# KiCad board sizif128.kicad_pcb (continued)
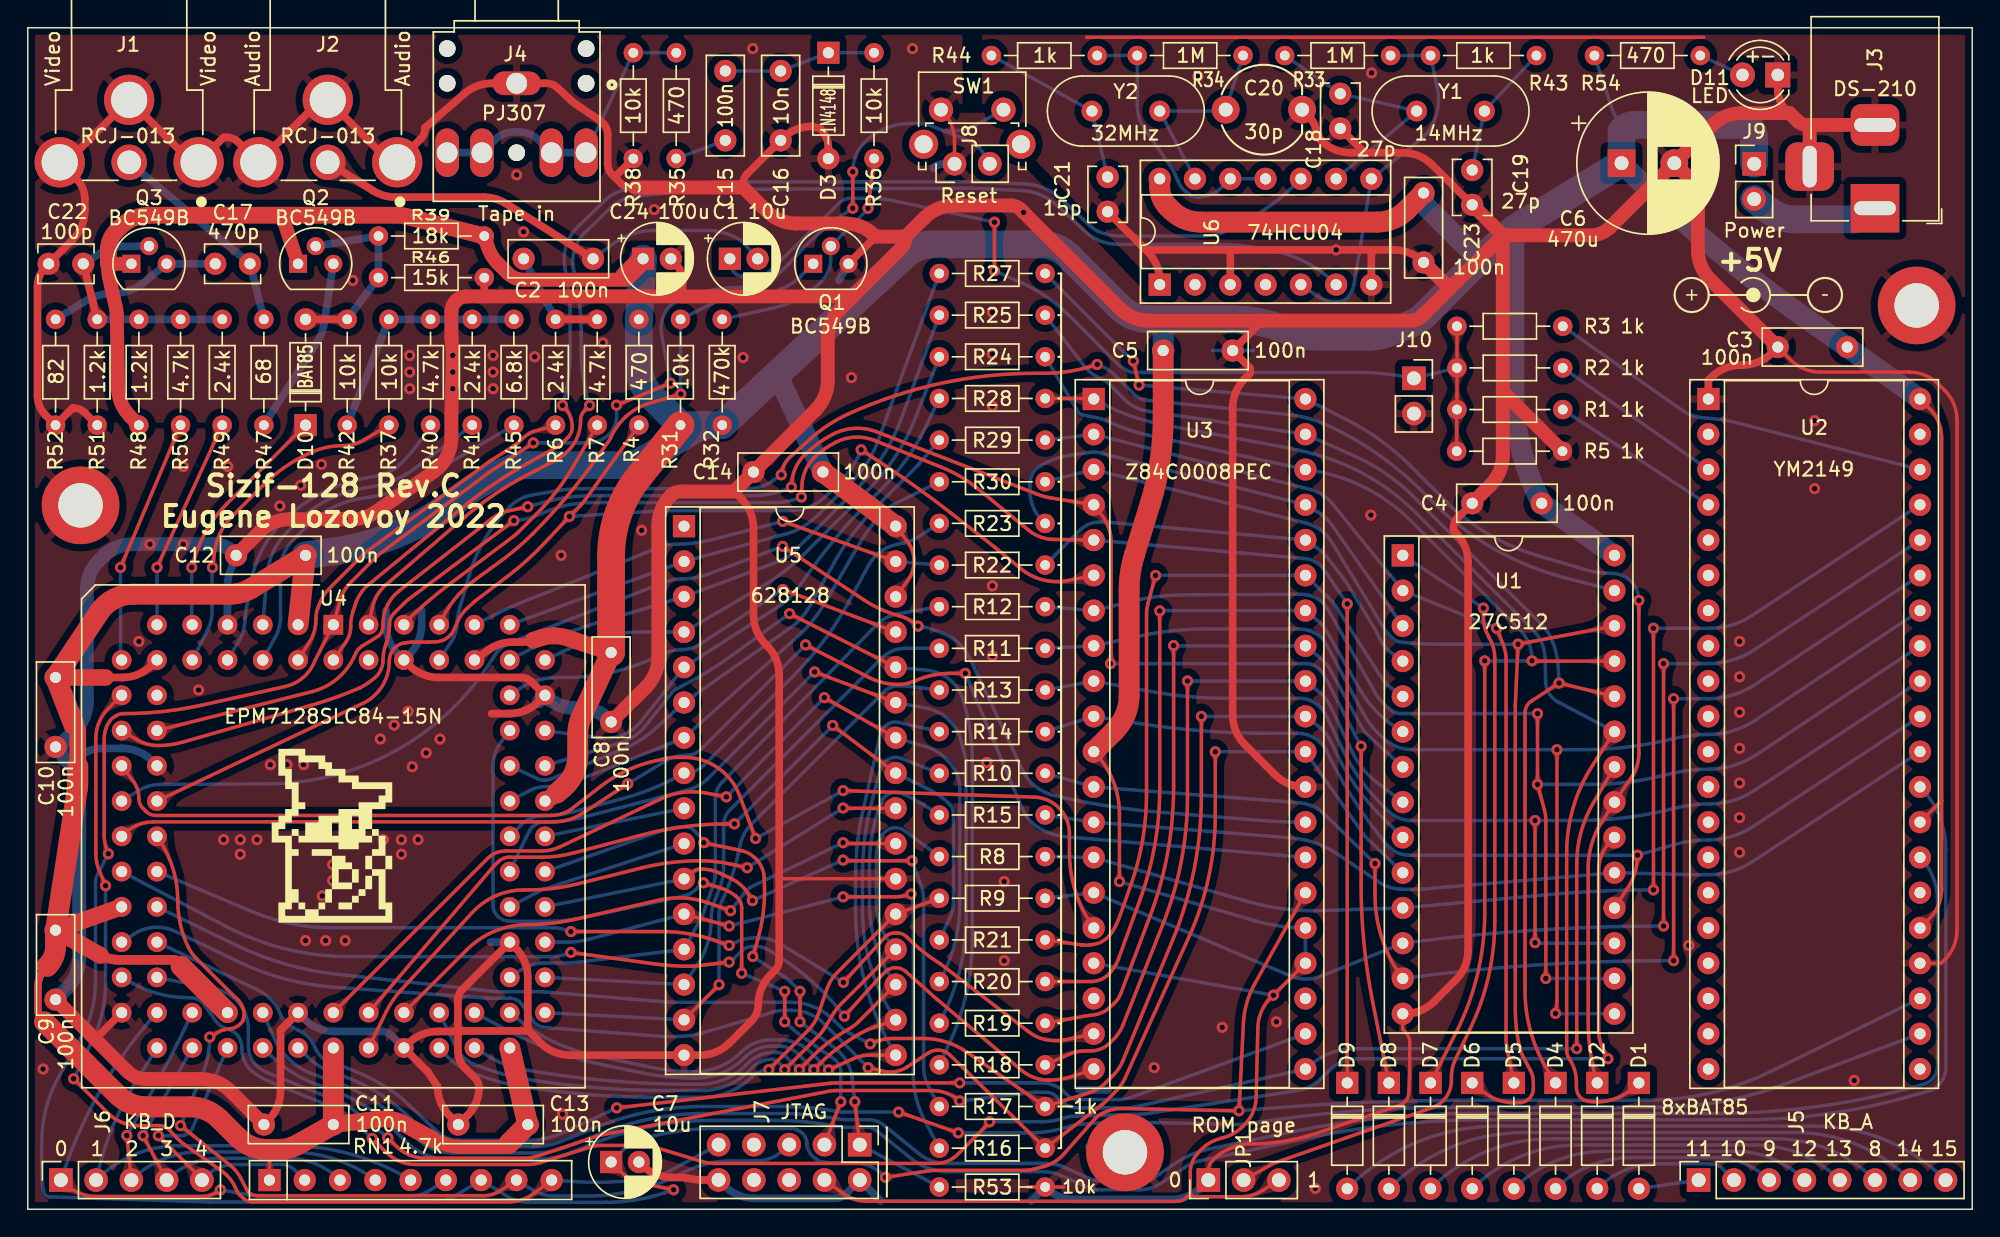
[diagram p0: board, top side]
## Copper pours and planes (outline as drawn; the poured copper is in the pictures) (continued)
D7 on Bottom: 74.37,28.11 74.66,28.06 74.9,28.01 75.1,27.95 75.28,27.88 75.44,27.8 75.59,27.71 75.74,27.61 75.9,27.5 76.09,27.37 76.3,27.22 77.15,27.82 76.51,28.64 76.26,28.56 76.05,28.49 75.86,28.43 75.69,28.38 75.52,28.34 75.34,28.31 75.15,28.3 74.94,28.3 74.69,28.32 74.4,28.35
D7 on Bottom: 111.87,23.91 112.16,23.93 112.41,23.94 112.62,23.92 112.81,23.9 112.98,23.86 113.15,23.81 113.32,23.75 113.5,23.67 113.71,23.59 113.95,23.49 114.64,24.27 113.83,24.93 113.61,24.79 113.42,24.67 113.25,24.57 113.09,24.48 112.93,24.4 112.77,24.33 112.59,24.28 112.38,24.23 112.14,24.19 111.85,24.16
Green on Bottom: 16.98,44.24 16.95,43.98 16.92,43.76 16.88,43.57 16.83,43.41 16.77,43.26 16.7,43.12 16.62,42.98 16.53,42.83 16.43,42.66 16.31,42.46 16.89,41.75 17.58,42.35 17.5,42.57 17.42,42.76 17.36,42.92 17.31,43.07 17.26,43.22 17.23,43.38 17.21,43.54 17.2,43.73 17.21,43.95 17.22,44.21
Green on Bottom: 30.41,55.12 30.61,55.27 30.79,55.39 30.96,55.48 31.11,55.55 31.25,55.61 31.4,55.65 31.55,55.68 31.72,55.72 31.91,55.75 32.14,55.79 32.28,56.69 31.38,56.8 31.28,56.6 31.19,56.42 31.11,56.27 31.04,56.13 30.96,56 30.86,55.87 30.75,55.75 30.62,55.62 30.46,55.48 30.26,55.32
KD0 on Top: 12.8,0.81 12.95,0.83 13.08,0.85 13.2,0.87 13.3,0.89 13.48,0.93 13.57,0.95 13.67,0.97 13.78,0.99 13.92,1 14.05,1.51 13.54,1.61 13.48,1.52 13.42,1.43 13.36,1.35 13.31,1.29 13.25,1.23 13.18,1.18 13.1,1.14 13.01,1.11 12.9,1.08 12.77,1.06
KD0 on Top: 4.61,1.06 4.34,1.1 4.11,1.16 3.92,1.25 3.77,1.36 3.65,1.49 3.54,1.65 3.44,1.82 3.35,2.02 3.26,2.23 3.15,2.46 2.05,2.37 2.3,1.25 2.58,1.22 2.82,1.18 3.03,1.14 3.22,1.09 3.4,1.04 3.58,0.99 3.78,0.94 4,0.89 4.27,0.85 4.59,0.81
KD0 on Bottom: 8.01,12.45 8.18,12.65 8.33,12.81 8.46,12.94 8.6,13.05 8.73,13.13 8.86,13.21 9.01,13.27 9.17,13.34 9.36,13.42 9.57,13.5 9.54,14.43 8.62,14.35 8.55,14.13 8.5,13.93 8.46,13.76 8.41,13.6 8.36,13.45 8.29,13.31 8.21,13.16 8.11,13 7.98,12.81 7.82,12.6
KD0 on Bottom: 27.28,0.89 27.65,0.85 27.96,0.86 28.22,0.91 28.46,0.99 28.67,1.09 28.89,1.19 29.11,1.27 29.35,1.33 29.62,1.35 29.95,1.31 30.44,2.31 29.42,2.52 29.25,2.25 29.1,1.99 28.94,1.76 28.79,1.56 28.62,1.39 28.43,1.25 28.22,1.15 27.97,1.1 27.67,1.09 27.33,1.14
KD0 on Bottom: 3.2,4.68 3.06,4.37 2.94,4.12 2.83,3.9 2.72,3.72 2.6,3.55 2.47,3.4 2.33,3.25 2.17,3.09 1.99,2.91 1.78,2.7 2.24,1.7 3.22,2.2 3.19,2.49 3.15,2.74 3.13,2.97 3.11,3.17 3.11,3.37 3.12,3.57 3.16,3.78 3.22,4.01 3.31,4.28 3.43,4.59
KD1 on Bottom: 6.91,3.72 6.62,3.57 6.37,3.45 6.15,3.36 5.96,3.28 5.78,3.22 5.6,3.17 5.41,3.11 5.2,3.06 4.96,2.99 4.68,2.92 4.6,1.81 5.71,1.78 5.81,2.03 5.89,2.25 5.97,2.45 6.05,2.62 6.14,2.78 6.25,2.93 6.39,3.07 6.55,3.21 6.76,3.35 7.02,3.5
KD1 on Bottom: 8.28,9.74 8.42,9.96 8.55,10.14 8.67,10.29 8.79,10.41 8.9,10.52 9.03,10.61 9.16,10.7 9.31,10.79 9.48,10.9 9.68,11.02 9.49,11.92 8.59,11.69 8.57,11.46 8.55,11.26 8.54,11.09 8.51,10.93 8.49,10.78 8.44,10.62 8.39,10.47 8.31,10.29 8.2,10.1 8.07,9.87
KD1 on Bottom: 25.38,3.09 25.64,2.97 25.86,2.85 26.03,2.74 26.18,2.62 26.31,2.5 26.42,2.37 26.52,2.22 26.63,2.06 26.76,1.87 26.9,1.65 27.91,1.9 27.62,2.9 27.35,2.92 26.92,2.94 26.74,2.95 26.57,2.97 26.39,3.01 26.2,3.05 26,3.12 25.76,3.2 25.48,3.32
KD1 on Bottom: 5.48,4.6 5.37,4.3 5.28,4.05 5.18,3.84 5.08,3.66 4.98,3.51 4.87,3.36 4.75,3.2 4.61,3.04 4.45,2.86 4.27,2.64 4.82,1.69 5.75,2.28 5.69,2.55 5.63,2.78 5.59,2.99 5.55,3.18 5.52,3.36 5.52,3.55 5.53,3.75 5.56,3.97 5.63,4.23 5.72,4.52
KD2 on Top: 7.08,4.61 7.1,4.3 7.11,4.04 7.1,3.81 7.08,3.62 7.04,3.43 6.99,3.25 6.92,3.07 6.85,2.87 6.76,2.65 6.66,2.39 7.5,1.68 8.18,2.55 8.03,2.78 7.9,2.98 7.79,3.16 7.69,3.33 7.6,3.49 7.53,3.66 7.46,3.85 7.41,4.07 7.36,4.33 7.32,4.64
KD2 on Bottom: 7.61,6.4 7.54,6.28 7.48,6.18 7.42,6.09 7.36,6.01 7.3,5.95 7.24,5.89 7.17,5.83 7.09,5.77 7.01,5.71 6.9,5.64 7.03,5.14 7.53,5.28 7.54,5.41 7.55,5.51 7.56,5.61 7.57,5.69 7.59,5.78 7.62,5.86 7.66,5.95 7.7,6.04 7.76,6.15 7.83,6.28
KD2 on Bottom: 22.89,3.17 23.15,3.06 23.36,2.94 23.53,2.83 23.68,2.71 23.79,2.58 23.9,2.44 24,2.29 24.09,2.12 24.2,1.92 24.33,1.7 25.35,1.88 25.14,2.89 24.87,2.93 24.44,2.98 24.26,3.01 24.08,3.04 23.91,3.08 23.72,3.13 23.51,3.2 23.27,3.29 22.99,3.4
KD2 on Bottom: 9.5,3.65 9.2,3.52 8.94,3.41 8.72,3.33 8.52,3.26 8.34,3.21 8.15,3.16 7.96,3.11 7.75,3.06 7.51,2.99 7.23,2.92 7.14,1.82 8.24,1.77 8.34,2.02 8.43,2.24 8.51,2.43 8.6,2.6 8.69,2.76 8.81,2.9 8.95,3.04 9.12,3.17 9.34,3.29 9.6,3.42
KD2 on Bottom: 11.03,12.18 11.15,12.41 11.26,12.6 11.37,12.76 11.47,12.9 11.58,13.01 11.69,13.12 11.81,13.23 11.95,13.34 12.11,13.46 12.29,13.61 11.99,14.48 11.13,14.15 11.13,13.92 11.14,13.72 11.14,13.54 11.14,13.38 11.13,13.22 11.11,13.07 11.06,12.91 11,12.73 10.92,12.52 10.81,12.29
KD3 on Top: 8.97,4.31 8.9,4.44 8.85,4.55 8.81,4.64 8.77,4.73 8.75,4.82 8.73,4.9 8.72,4.99 8.71,5.08 8.7,5.19 8.7,5.31 8.21,5.48 8.06,4.98 8.16,4.9 8.25,4.84 8.32,4.78 8.39,4.72 8.45,4.66 8.51,4.59 8.56,4.51 8.62,4.42 8.68,4.32 8.75,4.19
KD3 on Top: 8.7,4.28 8.84,4.01 8.95,3.77 9.02,3.55 9.08,3.36 9.11,3.18 9.13,2.99 9.14,2.8 9.14,2.59 9.14,2.35 9.15,2.07 10.2,1.72 10.5,2.79 10.28,2.95 10.08,3.08 9.9,3.21 9.75,3.32 9.61,3.44 9.47,3.57 9.34,3.72 9.21,3.91 9.07,4.13 8.92,4.4
KD3 on Bottom: 12.12,3.54 11.8,3.44 11.53,3.36 11.3,3.29 11.1,3.24 10.91,3.19 10.72,3.15 10.53,3.1 10.31,3.05 10.07,2.99 9.79,2.92 9.68,1.82 10.78,1.76 10.88,2 10.97,2.21 11.06,2.4 11.15,2.57 11.25,2.73 11.37,2.86 11.52,2.98 11.7,3.1 11.92,3.2 12.19,3.3
KD3 on Bottom: 20.42,3.25 20.68,3.15 20.89,3.05 21.06,2.94 21.19,2.82 21.3,2.69 21.4,2.55 21.48,2.39 21.57,2.21 21.65,2.01 21.75,1.78 22.78,1.84 22.69,2.87 22.42,2.94 22.19,3 21.81,3.09 21.64,3.13 21.46,3.18 21.27,3.24 21.05,3.3 20.8,3.38 20.51,3.49
KD3 on Bottom: 8.77,6.4 8.7,6.27 8.64,6.17 8.58,6.08 8.52,6 8.46,5.94 8.4,5.88 8.34,5.82 8.26,5.76 8.17,5.7 8.07,5.63 8.2,5.13 8.7,5.28 8.71,5.4 8.72,5.51 8.73,5.6 8.74,5.69 8.76,5.77 8.79,5.86 8.82,5.94 8.87,6.04 8.92,6.15 8.99,6.28
KD3 on Bottom: 10.91,9.7 11.04,9.92 11.16,10.11 11.27,10.26 11.38,10.39 11.49,10.5 11.61,10.6 11.74,10.69 11.89,10.79 12.06,10.91 12.25,11.04 12.01,11.93 11.13,11.66 11.12,11.43 11.11,11.23 11.1,11.05 11.09,10.89 11.06,10.74 11.03,10.59 10.98,10.43 10.91,10.25 10.81,10.05 10.69,9.82
KD4 on Top: 10.33,4.55 10.23,4.65 10.14,4.74 10.08,4.82 10.02,4.9 9.97,4.97 9.93,5.04 9.89,5.12 9.86,5.21 9.82,5.31 9.78,5.43 9.26,5.44 9.27,4.92 9.39,4.88 9.49,4.84 9.58,4.81 9.66,4.77 9.73,4.73 9.8,4.68 9.88,4.62 9.96,4.56 10.05,4.47 10.15,4.37
KD4 on Top: 10.68,3.85 10.89,3.62 11.06,3.43 11.2,3.25 11.31,3.08 11.39,2.91 11.46,2.74 11.53,2.56 11.58,2.36 11.65,2.13 11.72,1.86 12.83,1.78 12.86,2.89 12.6,2.99 12.37,3.07 12.16,3.15 11.98,3.22 11.81,3.29 11.64,3.38 11.47,3.49 11.28,3.63 11.08,3.8 10.85,4.02
KD4 on Bottom: 10.59,5.43 10.45,5.43 10.32,5.43 10.22,5.44 10.12,5.45 10.04,5.47 9.95,5.49 9.87,5.52 9.78,5.56 9.69,5.61 9.57,5.66 9.2,5.3 9.57,4.94 9.69,4.99 9.78,5.04 9.87,5.08 9.95,5.11 10.04,5.13 10.12,5.15 10.22,5.16 10.32,5.17 10.45,5.17 10.59,5.18
KD4 on Bottom: 13.64,9.62 13.75,9.85 13.85,10.05 13.95,10.21 14.05,10.35 14.15,10.47 14.26,10.58 14.38,10.69 14.51,10.8 14.67,10.93 14.84,11.08 14.52,11.95 13.67,11.59 13.68,11.36 13.69,11.16 13.7,10.98 13.7,10.82 13.7,10.67 13.68,10.51 13.64,10.35 13.59,10.16 13.51,9.96 13.41,9.72
KD4 on Bottom: 14.76,3.35 14.44,3.32 14.18,3.29 13.95,3.25 13.76,3.2 13.58,3.15 13.4,3.09 13.22,3.05 13.01,3 12.78,2.97 12.5,2.95 12.22,1.83 13.32,1.75 13.51,2.2 13.6,2.39 13.7,2.56 13.8,2.71 13.93,2.83 14.09,2.94 14.27,3.02 14.5,3.07 14.77,3.1
KD4 on Bottom: 17.95,3.1 18.19,3.08 18.39,3.04 18.56,2.97 18.69,2.87 18.8,2.74 18.89,2.6 18.97,2.43 19.04,2.25 19.11,2.05 19.18,1.84 20.22,1.82 19.94,2.9 19.69,2.91 19.48,2.95 19.31,3 19.14,3.06 18.99,3.13 18.83,3.19 18.66,3.25 18.46,3.3 18.23,3.34 17.95,3.35
nINT on Top: 8.12,29.54 8.11,29.88 8.06,30.16 7.99,30.4 7.9,30.6 7.8,30.79 7.7,30.98 7.61,31.17 7.53,31.38 7.49,31.63 7.47,31.93 6.55,32.22 6.44,31.31 6.69,31.18 6.93,31.06 7.14,30.94 7.33,30.82 7.5,30.68 7.63,30.53 7.74,30.34 7.82,30.12 7.86,29.86 7.87,29.55
nINT on Top: 51.87,27.77 51.92,27.64 51.96,27.52 51.99,27.42 52.01,27.32 52.02,27.24 52.03,27.15 52.03,27.06 52.02,26.97 52.01,26.86 52,26.74 52.47,26.51 52.68,26.99 52.59,27.07 52.51,27.15 52.45,27.22 52.39,27.29 52.34,27.36 52.29,27.43 52.25,27.51 52.2,27.61 52.15,27.72 52.1,27.86
nINT on Top: 75.5,22.32 75.6,22.04 75.69,21.8 75.75,21.59 75.8,21.4 75.83,21.22 75.86,21.05 75.88,20.87 75.9,20.67 75.93,20.44 75.96,20.17 76.96,19.92 77.17,20.94 76.95,21.07 76.76,21.18 76.59,21.29 76.44,21.39 76.3,21.5 76.17,21.62 76.06,21.76 75.95,21.94 75.84,22.15 75.73,22.41
nINT on Top: 59.89,30.23 59.75,30.24 59.63,30.25 59.52,30.26 59.43,30.28 59.34,30.3 59.26,30.32 59.18,30.36 59.09,30.4 59,30.45 58.89,30.5 58.5,30.16 58.86,29.78 58.98,29.83 59.07,29.88 59.16,29.91 59.25,29.94 59.33,29.96 59.42,29.97 59.51,29.98 59.62,29.99 59.74,29.99 59.89,29.98
nINT on Bottom: 53.38,27.38 53.26,27.31 53.15,27.26 53.05,27.21 52.96,27.18 52.88,27.15 52.79,27.14 52.71,27.12 52.61,27.11 52.5,27.11 52.38,27.1 52.22,26.6 52.73,26.47 52.8,26.57 52.86,26.66 52.92,26.73 52.98,26.8 53.04,26.86 53.11,26.91 53.18,26.97 53.27,27.03 53.38,27.09 53.5,27.16
nINT on Bottom: 57.72,29.47 57.84,29.54 57.95,29.59 58.05,29.64 58.14,29.67 58.22,29.7 58.31,29.71 58.39,29.73 58.49,29.74 58.6,29.74 58.72,29.75 58.88,30.25 58.37,30.38 58.3,30.28 58.24,30.19 58.18,30.12 58.12,30.05 58.06,29.99 57.99,29.94 57.92,29.88 57.83,29.82 57.72,29.76 57.6,29.69
nIORQ on Top: 73.8,9.18 74.19,9.21 74.52,9.24 74.81,9.27 75.06,9.3 75.29,9.33 75.52,9.35 75.76,9.36 76.02,9.36 76.31,9.34 76.66,9.31 77.13,10.23 76.18,10.67 75.95,10.43 75.74,10.22 75.55,10.04 75.36,9.89 75.17,9.76 74.97,9.66 74.74,9.57 74.47,9.51 74.16,9.46 73.78,9.43
nIORQ on Top: 59.51,14.87 59.41,14.76 59.32,14.67 59.24,14.6 59.17,14.54 59.1,14.49 59.03,14.44 58.95,14.4 58.86,14.36 58.76,14.32 58.65,14.27 58.67,13.75 59.18,13.79 59.22,13.91 59.25,14.01 59.28,14.1 59.32,14.18 59.35,14.26 59.4,14.33 59.45,14.41 59.52,14.5 59.6,14.59 59.69,14.7
nIORQ on Bottom: 57.94,14.74 58.04,14.63 58.11,14.54 58.18,14.45 58.23,14.37 58.27,14.29 58.3,14.21 58.33,14.13 58.36,14.04 58.38,13.93 58.41,13.81 58.93,13.74 58.97,14.26 58.86,14.32 58.76,14.37 58.68,14.41 58.6,14.46 58.53,14.51 58.46,14.56 58.39,14.63 58.31,14.71 58.23,14.8 58.13,14.91
nIORQ on Bottom: 51.3,18.69 51.21,18.59 51.12,18.51 51.04,18.44 50.97,18.38 50.89,18.34 50.82,18.3 50.74,18.27 50.65,18.24 50.55,18.22 50.43,18.19 50.34,17.68 50.85,17.61 50.91,17.72 51.01,17.91 51.06,17.99 51.1,18.07 51.16,18.14 51.22,18.22 51.29,18.31 51.38,18.4 51.48,18.51
nIORQ on Bottom: 8.71,23.44 8.48,23.56 8.29,23.68 8.13,23.79 8,23.89 7.89,24 7.79,24.12 7.69,24.25 7.58,24.39 7.47,24.55 7.33,24.74 6.45,24.49 6.74,23.61 6.97,23.6 7.17,23.6 7.35,23.6 7.51,23.59 7.66,23.57 7.81,23.54 7.98,23.49 8.15,23.42 8.36,23.33 8.59,23.22
nM1 on Top: 65.65,38.43 65.88,38.45 66.08,38.48 66.26,38.49 66.41,38.5 66.56,38.49 66.7,38.47 66.84,38.44 66.98,38.39 67.14,38.32 67.33,38.24 67.7,38.6 67.33,38.96 67.14,38.88 66.97,38.82 66.83,38.78 66.68,38.75 66.54,38.74 66.4,38.73 66.24,38.72 66.06,38.71 65.86,38.7 65.62,38.67
nM1 on Top: 57.12,40.22 56.99,40.28 56.88,40.34 56.79,40.4 56.71,40.45 56.64,40.51 56.58,40.57 56.52,40.63 56.46,40.71 56.39,40.79 56.32,40.89 55.82,40.74 55.99,40.25 56.11,40.25 56.22,40.24 56.32,40.24 56.41,40.22 56.49,40.21 56.57,40.18 56.66,40.15 56.76,40.11 56.87,40.06 57,40
nM1 on Top: 42.27,29.89 42.4,29.97 42.5,30.03 42.59,30.09 42.68,30.13 42.76,30.16 42.84,30.18 42.93,30.2 43.02,30.22 43.13,30.24 43.25,30.25 43.37,30.76 42.86,30.85 42.79,30.75 42.74,30.66 42.68,30.58 42.63,30.51 42.58,30.44 42.51,30.38 42.44,30.32 42.36,30.25 42.26,30.18 42.14,30.1
nM1 on Top: 8.58,27.99 8.31,27.95 8.09,27.9 7.9,27.86 7.73,27.81 7.42,27.73 7.27,27.68 7.09,27.64 6.89,27.6 6.66,27.56 6.49,26.63 7.41,26.57 7.57,26.94 7.65,27.1 7.73,27.24 7.81,27.37 7.92,27.47 8.05,27.56 8.2,27.64 8.39,27.7 8.62,27.74
nM1 on Bottom: 89.6,25.42 89.89,25.39 90.13,25.35 90.34,25.31 90.52,25.25 90.68,25.18 90.84,25.1 91,25.01 91.17,24.91 91.36,24.79 91.58,24.65 92.39,25.31 91.7,26.09 91.46,25.99 91.25,25.91 91.07,25.83 90.9,25.77 90.73,25.72 90.56,25.68 90.37,25.66 90.16,25.65 89.91,25.65 89.62,25.67
nM1 on Bottom: 44.16,31.37 44.03,31.3 43.92,31.24 43.83,31.19 43.74,31.15 43.66,31.12 43.58,31.1 43.49,31.08 43.39,31.07 43.29,31.06 43.16,31.05 43.03,30.55 43.54,30.43 43.6,30.53 43.66,30.62 43.72,30.7 43.78,30.77 43.83,30.83 43.9,30.89 43.97,30.95 44.06,31.01 44.16,31.08 44.28,31.16
nM1 on Bottom: 68.08,37.55 68.02,37.69 67.98,37.8 67.94,37.9 67.92,37.99 67.9,38.08 67.89,38.16 67.89,38.25 67.89,38.35 67.89,38.45 67.9,38.58 67.42,38.78 67.24,38.3 67.33,38.22 67.41,38.14 67.48,38.08 67.54,38.01 67.59,37.95 67.64,37.87 67.69,37.79 67.74,37.7 67.79,37.59 67.85,37.45
nM1 on Bottom: 55.25,39.72 55.35,39.82 55.44,39.91 55.52,39.97 55.6,40.03 55.67,40.08 55.74,40.12 55.82,40.16 55.91,40.19 56.01,40.23 56.13,40.27 56.14,40.79 55.62,40.78 55.58,40.66 55.54,40.56 55.51,40.47 55.47,40.39 55.43,40.32 55.38,40.25 55.32,40.17 55.26,40.09 55.17,40 55.07,39.9
nMREQ on Top: 40.29,20.12 40.15,20.13 40.02,20.13 39.92,20.14 39.82,20.15 39.74,20.17 39.65,20.19 39.57,20.22 39.48,20.26 39.39,20.31 39.27,20.36 38.9,20 39.27,19.64 39.39,19.69 39.48,19.74 39.57,19.78 39.65,19.81 39.74,19.83 39.82,19.85 39.92,19.86 40.02,19.87 40.15,19.87 40.29,19.88
nMREQ on Top: 59.44,17.3 59.34,17.2 59.25,17.11 59.17,17.04 59.1,16.98 59.03,16.93 58.96,16.88 58.88,16.84 58.79,16.8 58.69,16.76 58.58,16.71 58.59,16.19 59.1,16.23 59.14,16.34 59.17,16.45 59.21,16.54 59.24,16.62 59.28,16.7 59.32,16.77 59.38,16.85 59.44,16.93 59.52,17.03 59.62,17.13
nMREQ on Top: 48.76,19.45 48.98,19.39 49.17,19.34 49.33,19.29 49.47,19.24 49.6,19.19 49.72,19.13 49.83,19.05 49.95,18.96 50.08,18.85 50.22,18.72 50.69,18.93 50.46,19.4 50.26,19.38 50.09,19.38 49.95,19.39 49.81,19.4 49.68,19.43 49.54,19.47 49.4,19.52 49.24,19.57 49.05,19.63 48.83,19.69
nMREQ on Top: 73.14,12.19 73.58,12.06 73.97,11.99 74.3,11.97 74.61,11.98 74.89,12.01 75.17,12.04 75.45,12.05 75.76,12.04 76.1,11.99 76.5,11.88 77.14,12.72 76.26,13.27 75.95,13.03 75.66,12.81 75.4,12.62 75.15,12.46 74.89,12.34 74.62,12.26 74.33,12.22 74.01,12.24 73.64,12.3 73.22,12.42
nMREQ on Bottom: 51.58,19.57 51.2,19.48 51.11,19.46 51.02,19.44 50.93,19.43 50.84,19.41 50.74,19.41 50.63,19.4 50.5,19.4 50.32,18.91 50.82,18.75 50.89,18.85 50.96,18.93 51.02,19.01 51.08,19.07 51.15,19.13 51.22,19.17 51.3,19.22 51.39,19.26 51.51,19.29 51.64,19.33
nMREQ on Bottom: 57.64,16.85 57.76,16.78 57.87,16.71 57.95,16.65 58.03,16.59 58.09,16.53 58.15,16.47 58.2,16.4 58.26,16.32 58.32,16.23 58.39,16.13 58.89,16.24 58.76,16.74 58.64,16.75 58.53,16.76 58.44,16.78 58.35,16.8 58.27,16.82 58.18,16.85 58.1,16.89 58,16.93 57.89,16.99 57.77,17.07
nMREQ on Bottom: 11.31,23.61 11.08,23.71 10.88,23.81 10.71,23.91 10.57,24 10.45,24.1 10.34,24.21 10.23,24.33 10.12,24.46 9.99,24.62 9.83,24.79 8.97,24.46 9.34,23.61 9.57,23.62 9.77,23.64 9.95,23.65 10.11,23.65 10.26,23.65 10.42,23.63 10.58,23.6 10.77,23.55 10.98,23.48 11.22,23.38
nRD on Top: 113.14,29.73 113.29,29.98 113.43,30.19 113.56,30.36 113.69,30.49 113.82,30.61 113.96,30.72 114.11,30.82 114.28,30.93 114.47,31.05 114.69,31.2 114.44,32.21 113.44,31.92 113.42,31.66 113.41,31.44 113.4,31.24 113.38,31.06 113.36,30.89 113.32,30.71 113.26,30.53 113.18,30.34 113.07,30.12 112.92,29.86
nRD on Top: 111.4,12.76 111.4,12.61 111.39,12.49 111.39,12.38 111.37,12.29 111.36,12.2 111.33,12.12 111.3,12.04 111.26,11.95 111.22,11.85 111.17,11.74 111.53,11.37 111.89,11.74 111.83,11.85 111.79,11.95 111.75,12.04 111.72,12.12 111.69,12.2 111.68,12.29 111.66,12.38 111.66,12.49 111.65,12.61 111.65,12.76
nRD on Top: 66.02,8.28 66.15,8.23 66.25,8.18 66.34,8.14 66.42,8.08 66.48,8.03 66.54,7.96 66.59,7.89 66.64,7.81 66.69,7.72 66.75,7.61 67.26,7.68 67.17,8.19 67.04,8.22 66.93,8.24 66.83,8.27 66.74,8.29 66.66,8.32 66.57,8.35 66.24,8.46 66.1,8.51
nRD on Top: 27.22,4.18 27.05,4.28 26.9,4.37 26.78,4.46 26.69,4.55 26.6,4.65 26.53,4.75 26.47,4.85 26.42,4.98 26.36,5.12 26.3,5.28 25.78,5.29 25.79,4.77 25.96,4.71 26.1,4.64 26.22,4.57 26.33,4.5 26.43,4.43 26.53,4.35 26.64,4.26 26.76,4.17 26.91,4.07 27.09,3.96
nRD on Bottom: 94,11.46 93.7,11.36 93.45,11.28 93.24,11.22 93.05,11.16 92.87,11.12 92.7,11.07 92.52,11.03 92.32,10.99 92.09,10.94 91.82,10.88 91.67,9.86 92.71,9.74 92.81,9.97 92.91,10.17 92.99,10.35 93.08,10.52 93.18,10.66 93.29,10.79 93.43,10.91 93.6,11.02 93.81,11.12 94.07,11.22
nRD on Bottom: 110.34,11.44 110.48,11.44 110.6,11.43 110.71,11.43 110.8,11.41 110.89,11.4 110.97,11.37 111.05,11.34 111.14,11.3 111.24,11.26 111.35,11.21 111.73,11.57 111.35,11.93 111.24,11.87 111.14,11.83 111.05,11.79 110.97,11.76 110.89,11.74 110.8,11.72 110.71,11.7 110.6,11.7 110.48,11.69 110.34,11.69
nRD on Bottom: 24.92,5.8 25.03,5.71 25.13,5.63 25.2,5.56 25.27,5.49 25.32,5.42 25.37,5.35 25.42,5.27 25.46,5.19 25.51,5.09 25.56,4.98 26.08,5.02 26.02,5.54 25.9,5.57 25.79,5.59 25.7,5.62 25.62,5.65 25.54,5.68 25.46,5.72 25.38,5.77 25.29,5.83 25.19,5.91 25.08,6
nRD on Bottom: 89.68,9.46 89.97,9.52 90.22,9.55 90.43,9.57 90.62,9.57 90.79,9.56 90.96,9.53 91.14,9.49 91.33,9.44 91.55,9.38 91.81,9.32 92.38,10.19 91.49,10.73 91.29,10.56 91.12,10.42 90.96,10.29 90.82,10.18 90.68,10.08 90.52,10 90.35,9.92 90.15,9.84 89.91,9.77 89.63,9.7
nRD on Bottom: 11.42,16.41 11.16,16.46 10.95,16.52 10.77,16.58 10.61,16.64 10.47,16.72 10.34,16.8 10.21,16.89 10.07,17 9.91,17.13 9.73,17.27 8.95,16.77 9.48,16.01 9.7,16.07 9.9,16.13 10.07,16.17 10.22,16.21 10.38,16.23 10.53,16.25 10.7,16.25 10.89,16.24 11.11,16.21 11.37,16.16
nRFSH on Top: 63.03,42.52 63.16,42.47 63.26,42.41 63.35,42.36 63.42,42.3 63.49,42.24 63.54,42.18 63.59,42.1 63.64,42.02 63.69,41.92 63.74,41.82 64.26,41.88 64.18,42.39 64.05,42.42 63.94,42.45 63.84,42.47 63.75,42.5 63.67,42.53 63.58,42.56 63.26,42.7 63.12,42.75
nRFSH on Top: 55.41,47.2 55.29,47.28 55.19,47.35 55.11,47.42 55.04,47.48 54.98,47.54 54.92,47.61 54.87,47.68 54.81,47.76 54.76,47.85 54.69,47.95 54.18,47.86 54.3,47.35 54.42,47.34 54.53,47.32 54.62,47.3 54.71,47.28 54.79,47.26 54.87,47.23 54.96,47.18 55.05,47.13 55.15,47.07 55.27,46.99
nRFSH on Bottom: 9.3,30.72 8.94,30.67 8.63,30.62 8.38,30.55 8.15,30.48 7.94,30.41 7.74,30.33 7.53,30.26 7.29,30.2 7.02,30.15 6.7,30.11 6.46,29.21 7.36,29.02 7.52,29.28 7.67,29.51 7.81,29.71 7.95,29.89 8.1,30.05 8.27,30.17 8.47,30.28 8.71,30.36 8.99,30.43 9.32,30.47
nRFSH on Bottom: 65.31,41.84 65.05,41.94 64.94,41.98 64.85,42.02 64.77,42.06 64.69,42.1 64.61,42.14 64.53,42.19 64.44,42.25 64.33,42.33 63.9,42.03 64.22,41.62 64.33,41.65 64.43,41.68 64.52,41.7 64.61,41.72 64.7,41.73 64.78,41.72 64.87,41.71 64.98,41.69 65.09,41.66 65.22,41.61
nRFSH on Bottom: 89.6,27.82 89.9,27.8 90.14,27.77 90.35,27.73 90.54,27.69 90.7,27.63 90.86,27.56 91.03,27.48 91.2,27.39 91.4,27.28 91.63,27.16 92.39,27.88 91.65,28.6 91.42,28.49 91.22,28.39 91.04,28.3 90.87,28.23 90.71,28.17 90.54,28.12 90.36,28.09 90.15,28.07 89.91,28.06 89.62,28.07
nRFSH on Bottom: 53.28,47.22 53.41,47.27 53.53,47.3 53.63,47.33 53.73,47.36 53.81,47.37 53.9,47.37 53.99,47.38 54.08,47.37 54.19,47.36 54.31,47.35 54.54,47.82 54.06,48.03 53.97,47.94 53.9,47.86 53.83,47.79 53.76,47.74 53.69,47.69 53.62,47.64 53.54,47.59 53.44,47.55 53.33,47.5 53.19,47.45
nROMCS on Top: 113.24,24.7 113.28,24.96 113.34,25.17 113.42,25.34 113.53,25.48 113.65,25.6 113.79,25.7 113.96,25.79 114.14,25.87 114.56,26.05 114.5,27.08 113.44,26.86 113.41,26.6 113.37,26.38 113.32,26.19 113.27,26.01 113.22,25.84 113.17,25.67 113.12,25.49 113.07,25.27 113.03,25.02 112.99,24.73
nROMCS on Top: 68.51,5.33 68.62,5.44 68.71,5.53 68.8,5.6 68.87,5.66 68.95,5.71 69.02,5.75 69.1,5.79 69.19,5.84 69.41,5.93 69.38,6.45 68.86,6.4 68.83,6.28 68.8,6.18 68.77,6.09 68.73,6.01 68.69,5.93 68.65,5.86 68.59,5.78 68.52,5.7 68.43,5.61 68.33,5.51
nROMCS on Top: 113.03,12.3 113.08,12.1 113.12,11.93 113.17,11.78 113.26,11.53 113.29,11.42 113.33,11.3 113.35,11.16 113.37,11.01 113.38,10.84 113.86,10.66 114.02,11.16 113.89,11.26 113.77,11.36 113.68,11.45 113.59,11.54 113.52,11.63 113.46,11.74 113.41,11.86 113.36,12 113.32,12.16 113.28,12.35
nROMCS on Top: 25.73,4.35 25.63,4.45 25.54,4.54 25.48,4.62 25.42,4.7 25.37,4.77 25.33,4.84 25.29,4.92 25.26,5.01 25.22,5.11 25.18,5.23 24.66,5.24 24.67,4.72 24.79,4.68 24.89,4.64 24.98,4.61 25.06,4.57 25.13,4.53 25.2,4.48 25.28,4.42 25.36,4.36 25.45,4.27 25.55,4.17
nROMCS on Bottom: 8.99,15.77 8.72,15.87 8.49,15.97 8.29,16.07 8.13,16.17 7.99,16.29 7.87,16.41 7.74,16.55 7.62,16.72 7.49,16.9 7.34,17.12 6.45,16.87 6.73,15.99 7,15.98 7.23,15.96 7.43,15.94 7.62,15.91 7.79,15.88 7.97,15.84 8.16,15.78 8.37,15.72 8.62,15.63 8.91,15.54
nROMCS on Bottom: 23.84,5.82 23.95,5.72 24.04,5.63 24.11,5.55 24.17,5.48 24.22,5.41 24.26,5.34 24.3,5.26 24.34,5.17 24.38,5.07 24.43,4.96 24.95,4.96 24.92,5.48 24.8,5.52 24.7,5.55 24.61,5.59 24.53,5.62 24.45,5.66 24.37,5.7 24.3,5.76 24.21,5.82 24.12,5.9 24.01,6
nROMCS on Bottom: 70.44,6.42 70.3,6.43 70.17,6.43 70.07,6.44 69.97,6.45 69.89,6.47 69.8,6.49 69.72,6.52 69.63,6.56 69.54,6.61 69.42,6.66 69.05,6.3 69.42,5.94 69.54,5.99 69.63,6.04 69.72,6.08 69.8,6.11 69.89,6.13 69.97,6.15 70.07,6.16 70.17,6.17 70.3,6.17 70.44,6.17
nROMCS on Bottom: 112.58,10.72 112.73,10.71 112.85,10.71 112.96,10.7 113.05,10.69 113.14,10.67 113.22,10.65 113.3,10.62 113.39,10.58 113.49,10.53 113.6,10.48 113.97,10.84 113.6,11.2 113.49,11.15 113.39,11.1 113.3,11.06 113.22,11.03 113.14,11.01 113.05,10.99 112.96,10.98 112.85,10.97 112.73,10.97 112.58,10.97
nRST on Top: 43.44,58.48 43.31,58.43 43.19,58.38 43.09,58.35 43,58.33 42.91,58.31 42.83,58.3 42.74,58.3 42.64,58.3 42.54,58.3 42.41,58.31 42.2,57.84 42.69,57.65 42.77,57.74 42.84,57.82 42.91,57.88 42.97,57.94 43.04,58 43.11,58.05 43.2,58.09 43.29,58.14 43.4,58.19 43.54,58.25
nRST on Top: 90.94,20.65 91.09,20.9 91.22,21.11 91.35,21.28 91.47,21.42 91.6,21.54 91.74,21.65 91.88,21.76 92.05,21.87 92.24,22 92.45,22.15 92.18,23.15 91.19,22.84 91.18,22.58 91.17,22.36 91.16,22.16 91.15,21.98 91.13,21.81 91.09,21.63 91.04,21.45 90.96,21.25 90.86,21.03 90.72,20.77
nRST on Top: 45.22,58.94 45.36,58.99 45.47,59.03 45.57,59.06 45.66,59.09 45.75,59.1 45.84,59.11 45.92,59.12 46.02,59.12 46.13,59.11 46.25,59.1 46.46,59.58 45.98,59.77 45.89,59.68 45.82,59.6 45.75,59.53 45.69,59.47 45.62,59.42 45.55,59.37 45.47,59.32 45.37,59.27 45.26,59.22 45.13,59.17
nRST on Top: 59.28,73.29 59.27,73.15 59.27,73.02 59.26,72.92 59.25,72.82 59.23,72.74 59.21,72.65 59.18,72.57 59.14,72.48 59.09,72.39 59.04,72.27 59.4,71.9 59.76,72.27 59.71,72.39 59.66,72.48 59.62,72.57 59.59,72.65 59.57,72.74 59.55,72.82 59.54,72.92 59.53,73.02 59.53,73.15 59.53,73.29
nRST on Top: 59.53,73.53 59.53,73.68 59.53,73.8 59.54,73.91 59.55,74 59.57,74.09 59.59,74.17 59.62,74.25 59.66,74.34 59.71,74.44 59.76,74.55 59.4,74.92 59.04,74.55 59.09,74.44 59.14,74.34 59.18,74.25 59.21,74.17 59.23,74.09 59.25,74 59.26,73.91 59.27,73.8 59.27,73.68 59.28,73.53
nRST on Top: 87.14,8.29 87.14,8.14 87.12,8.02 87.11,7.91 87.09,7.82 87.07,7.74 87.04,7.65 87.01,7.57 86.97,7.49 86.92,7.39 86.86,7.28 87.2,6.89 87.58,7.25 87.53,7.36 87.49,7.46 87.46,7.55 87.43,7.64 87.41,7.72 87.4,7.8 87.39,7.9 87.39,8.01 87.39,8.13 87.39,8.27
nRST on Top: 21.14,40.15 21.26,40.38 21.37,40.57 21.48,40.72 21.59,40.85 21.7,40.97 21.81,41.07 21.94,41.17 22.08,41.28 22.24,41.39 22.43,41.53 22.16,42.42 21.29,42.12 21.29,41.88 21.28,41.68 21.28,41.51 21.27,41.35 21.26,41.19 21.23,41.04 21.18,40.87 21.12,40.7 21.03,40.49 20.92,40.26
nRST on Top: 23.08,45.16 22.81,44.84 22.61,44.56 22.45,44.3 22.33,44.05 22.23,43.82 22.14,43.59 22.03,43.36 21.89,43.12 21.72,42.86 21.48,42.58 21.9,41.76 22.7,42.23 22.64,42.57 22.58,42.88 22.54,43.16 22.53,43.43 22.54,43.68 22.59,43.92 22.68,44.17 22.82,44.42 23.01,44.69 23.27,44.99
nRST on Top: 86.02,6.99 86.16,6.98 86.28,6.98 86.39,6.97 86.48,6.95 86.57,6.93 86.65,6.91 86.73,6.88 86.82,6.84 86.92,6.79 87.03,6.73 87.41,7.09 87.04,7.45 86.93,7.4 86.83,7.36 86.74,7.32 86.66,7.29 86.58,7.27 86.49,7.26 86.4,7.25 86.29,7.24 86.17,7.24 86.02,7.24
nRST on Top: 44.12,2.02 43.84,2.1 43.61,2.21 43.43,2.32 43.28,2.46 43.17,2.61 43.07,2.78 42.99,2.96 42.92,3.18 42.84,3.41 42.76,3.66 41.72,3.68 41.8,2.63 42.08,2.55 42.32,2.46 42.52,2.38 42.7,2.3 42.88,2.21 43.06,2.13 43.25,2.04 43.48,1.95 43.74,1.87 44.06,1.78
nRST on Top: 35.48,54.44 35.6,54.51 35.7,54.58 35.8,54.63 35.88,54.67 35.96,54.7 36.05,54.73 36.13,54.75 36.23,54.77 36.33,54.79 36.45,54.8 36.57,55.31 36.06,55.4 35.99,55.3 35.94,55.2 35.88,55.12 35.83,55.05 35.78,54.99 35.71,54.92 35.64,54.86 35.56,54.8 35.46,54.72 35.34,54.64
nRST on Bottom: 42.17,56 42.3,56.21 42.38,56.39 42.43,56.57 42.46,56.73 42.47,56.88 42.48,57.03 42.5,57.18 42.54,57.34 42.61,57.5 42.72,57.68 42.38,58.11 42.03,57.73 42.12,57.55 42.19,57.39 42.24,57.24 42.28,57.1 42.29,56.95 42.28,56.81 42.24,56.66 42.18,56.5 42.09,56.33 41.97,56.15
nRST on Bottom: 66.51,77.57 67.02,77.56 67.45,77.61 67.82,77.7 68.13,77.81 68.43,77.94 68.71,78.07 69.01,78.19 69.35,78.28 69.73,78.33 70.18,78.33 70.63,79.41 69.53,79.7 69.28,79.34 69.05,79 68.82,78.71 68.6,78.45 68.36,78.23 68.09,78.06 67.79,77.92 67.43,77.84 67.02,77.81 66.53,77.82